# Altium PCB AT short bus ( 7 x 4.2 inches).PCBDOC (part 3 of 4)
Units mil, origin at the board's own origin, x right, y up, seen from the top; angles counter-clockwise.
Board outline 7000 x 4200 mil, 2 copper layers (TopLayer, BottomLayer), stack 65.792 mil thick; 180 components, 429 nets, 1316 pads, 544 vias.
Unrouted connection lines stored in the file: 1.
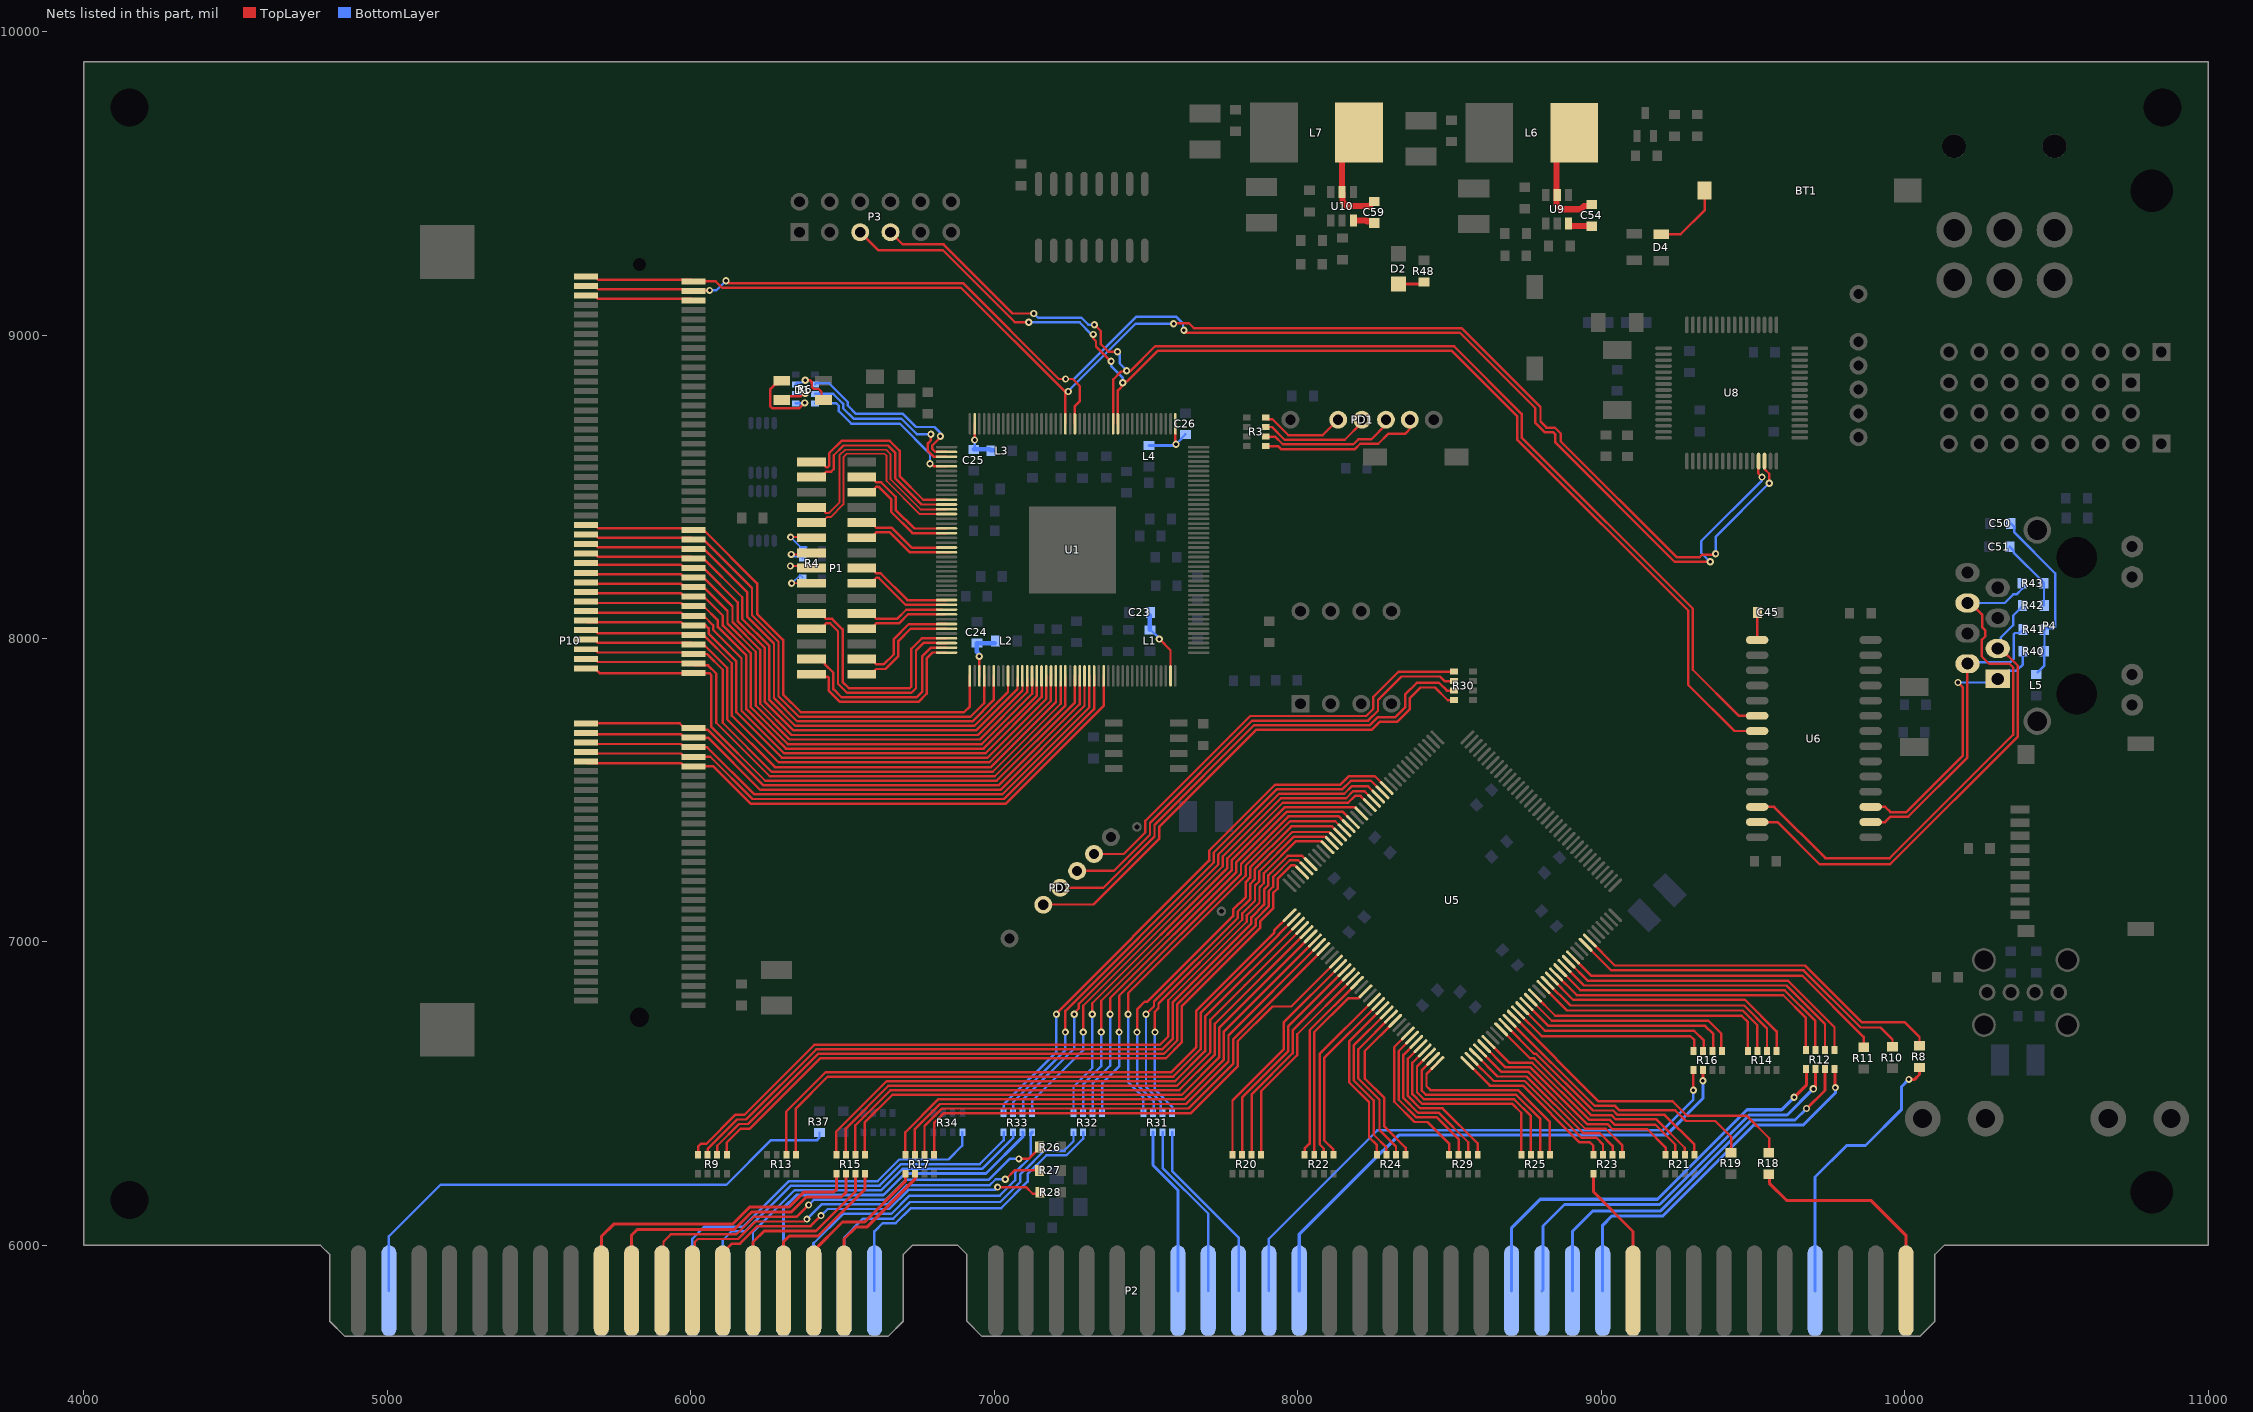
[diagram p3: the nets of this part, all layers, seen from the top]

## Via types
v1: diameter 23.62, hole 12.99, TopLayer to BottomLayer, tented both sides, 193 vias
v2: diameter 24.02, hole 11.81, TopLayer to BottomLayer, tented both sides, 137 vias
v3: diameter 23.62, hole 11.81, TopLayer to BottomLayer, tented both sides, 109 vias
v4: diameter 23.62, hole 11.81, TopLayer to BottomLayer, 38 vias
v5: diameter 25.98, hole 12.99, TopLayer to BottomLayer, tented both sides, 32 vias
v6: diameter 23.62, hole 12.99, TopLayer to BottomLayer, 25 vias
v7: diameter 39.37, hole 19.68, TopLayer to BottomLayer, tented both sides, 5 vias
v8: diameter 70, hole 70, TopLayer to BottomLayer, 2 vias
v9: diameter 39.37, hole 39.37, TopLayer to BottomLayer, tented both sides, 2 vias
v10: diameter 98.43, hole 59.06, TopLayer to BottomLayer, tented both sides, 1 vias

## Nets (pads, with @x,y where several pads share a name; then routed paths per layer and width w, separated by ;. In a path a pad name is that pad's centre, name@x,y a point inside that pad or via, vN(x,y) a via of type N, cw(c..) or ccw(c..) an arc to the next point about the centre after c; other vN are vias at no path point) (continued)
IOCHK#: P2.A1 R18.1 | length 733.2
  TopLayer w10: R18.1@9554,6233.57 9554,6205 9610.65,6148.35 9888.65,6148.35 10005,6032 P2.A1@10005,5850
IOCRDY#: P2.A10 R23.4 | length 440
  TopLayer w10: R23.4@8974.59,6236 8974.59,6176.41 9105,6046 P2.A10@9105,5850
IOCS16#: P2.D2 R32.5 | length 1107.6
  BottomLayer w8: P2.D2@6505,5850 6505,6025.08 6567.92,6088 6667.22,6088 6722.22,6143 7019.63,6143 7086.15,6209.52 7086.15,6234.78 7096.56,6245.19 7097.49,6245.19 7164.3,6312 7230,6312 7261.06,6343.06 R32.5@7261.06,6373.01
IOR#: P2.B14 R12.4 | length 1427.3
  TopLayer w10: v3(9636,6488) 9676,6528 9676,6579.51 R12.4@9674.51,6581
  BottomLayer w10: P2.B14@8705,5850 8705,6058 8799,6152 9185.88,6152 9480.88,6447 9595,6447 v3(9636,6488)
IOW#: P2.B13 R12.3 | length 1361.4
  TopLayer w10: v1(9699,6516) 9706.01,6523.01 R12.3@9706.01,6581
  BottomLayer w10: P2.B13@8805,5850 8808,5853 8808,6064 8879,6135 9192.92,6135 9487.92,6430 9613,6430 v1(9699,6516)
IRQ2: P2.B4 R8.1 | length 926.5
  TopLayer w10: v3(10014,6547) 10033,6547 10049,6563 R8.1@10049,6586.57
  BottomLayer w10: P2.B4@9705,5850 9705,6225 9809.25,6329.25 9871.25,6329.25 9989,6447 9989,6522 v3(10014,6547)
IRQ3: P2.B25 R31.6 | length 557
  BottomLayer w10: R31.6@7523.01,6373.01 7523.01,6264.15 7605,6182.16 P2.B25@7605,5850
IRQ4: P2.B24 R31.7 | length 585.3
  BottomLayer w8: R31.7@7554.5,6373.01 7554.5,6255.28 7705,6104.79 P2.B24@7705,5850
IRQ5: P2.B23 R31.8 | length 613.7
  BottomLayer w8: R31.8@7586,6373.01 7586,6245 7805,6026 P2.B23@7805,5850
IRQ6: P2.B22 R16.4 | length 1858.2
  TopLayer w8: v3(9304,6511) 9304.09,6511.09 R16.4@9304.09,6578.01
  BottomLayer w8: P2.B22@7905,5850 7905,6022 8262,6379 9202,6379 9304,6481 v3(9304,6511)
IRQ7: P2.B21 R16.3 | length 1796.6
  TopLayer w10: v3(9335.43,6542.43) 9335.79,6542.79 9335.79,6577.8 R16.3@9335.58,6578.01
  BottomLayer w10: P2.B21@8005,5850 8005,6037 8280.31,6312.31 8282.31,6312.31 8333,6363 9214,6363 9335.43,6484.43 v3(9335.43,6542.43)
IRQ10: P2.D3 R33.8 | length 1088.4
  BottomLayer w8: 6405,6006.97 6502.03,6104 6660.59,6104 6720.59,6164 7018,6164 7068.5,6214.5 7068.5,6239.76 7120.24,6291.5 R33.8@7120.24,6368.17
  BottomLayer w10: P2.D3@6405,5850 6405,6006.97 ; R33.8@7120.24,6368.17 R33.8@7125.09,6373.01
IRQ11: P2.D4 R33.7 | length 1173.9
  BottomLayer w10: P2.D4@6305,5850 6305,6122 6349,6166 6634.91,6166 6705.84,6236.93 6972.93,6236.93 7094,6358 7094,6372.6 R33.7@7093.59,6373.01
IRQ12: P2.D5 R33.6 | length 1198.8
  BottomLayer w8: P2.D5@6205,5850 6205,6044.63 6342.37,6182 6628.28,6182 6699.21,6252.93 6960.93,6252.93 7062.09,6354.09 R33.6@7062.09,6373.01
IRQ13: P2.D6 R33.5 | length 1255.5
  BottomLayer w8: P2.D6@6105,5850 6105,6017 6135,6047 6180,6047 6330,6197 6622.07,6197 6693,6267.93 6951.93,6267.93 7030.6,6346.6 R33.5@7030.6,6373.01
IRQ14: P2.D7 R34.8 | length 1233
  BottomLayer w8: P2.D7@6005,5850 6005,6022 6045,6062 6173.79,6062 6323.79,6212 6615.85,6212 6686.79,6282.93 6848.93,6282.93 6894.63,6328.63 R34.8@6894.63,6373.01
LA17: P2.C8 R26.1 | length 1540.1
  TopLayer w8: P2.C8@5905,5850 5910,5855 5910,6012 5934,6036 6149.75,6036 6207.44,6093.69 6348.69,6093.69 v3(6388,6133) v3@6392,6137 ; v3(7081,6285) 7113.28,6285 7149.57,6321.28 R26.1@7149.57,6324
  BottomLayer w8: v3(6388,6133) 6405,6150 6641.53,6150 6707.53,6216 6981.53,6216 7050.53,6285 v3(7081,6285)
LA18: P2.C7 R27.1 | length 1398.6
  TopLayer w8: P2.C7@6005,5850 6013.04,5858.04 6013.04,6011.04 6023,6021 6155.97,6021 6213.65,6078.69 6374.69,6078.69 v3(6382.5,6086.5) ; v3(7036,6218) 7038,6218 7067,6247 R27.1@7149.57,6247
  BottomLayer w8: v3(6382.5,6086.5) 6431,6135 6647.75,6135 6710.75,6198 6984.74,6198 7004.74,6218 v3(7036,6218)
LA19: P2.C6 R28.1 | length 1271.6
  TopLayer w8: P2.C6@6105,5850 6105,5975 6136,6006 6162.18,6006 6219.87,6063.69 6394.69,6063.69 v3(6429,6098) ; v3(7011,6192) 7105,6192 7127,6170 7145.57,6170 R28.1@7150.57,6175
  BottomLayer w8: v3(6429,6098) 6451,6120 6653.96,6120 6716.96,6183 7002,6183 v3(7011,6192)
LA20: P2.C5 R15.6 | length 625.7
  TopLayer w10: P2.C5@6205,5850 6205,6011 6241.69,6047.69 6412.36,6047.69 6542.33,6177.66 R15.6@6542.33,6236
LA21: P2.C4 R15.5 | length 552.8
  TopLayer w10: P2.C4@6305,5850 6305,6011 6324.69,6030.69 6419.4,6030.69 6573.83,6185.11 R15.5@6573.83,6236
LA22: P2.C3 R17.8 | length 553.9
  TopLayer w10: P2.C3@6405,5850 6405,5982 6500,6077 6573,6077 6707.01,6211.01 R17.8@6707.01,6236
LA23: P2.C2 R17.7 | length 505.1
  TopLayer w10: P2.C2@6505,5850 6505,6021 6544,6060 6580.04,6060 6740,6219.96 6740,6234.5 R17.7@6738.5,6236
LANRX+: P4.3 R42.1 U6.13 | length 1589.4
  TopLayer w8: U6.13@9513.99,7395 9581,7395 9720,7256 9952,7256 10373.09,7677.09 10373.09,7910 10316.09,7967 P4.3@10307.09,7967
  BottomLayer w8: P4.3@10307.09,7967 10317,7976.91 10317,8003 10358.09,8044.09 10358.09,8075.8 10388.57,8106.28 R42.1@10388.57,8109
LANRX-: P4.6 R43.1 U6.12 | length 1851.4
  TopLayer w8: U6.12@9513.99,7445 9570,7445 9739,7276 9950.79,7276 10358.09,7683.3 10358.09,7903.79 10345.16,7916.72 10278.28,7916.72 10254,7941 10254,7995.52 10266,8007.52 10266,8026.48 10256.09,8036.4 10256.09,8077 10216.09,8117 P4.6@10207.09,8117
  BottomLayer w8: P4.6@10207.09,8117 10330,8117 10358.09,8145.09 10368.65,8145.09 10387.57,8164 R43.1@10387.57,8182
LANTX+: P4.1 R40.1 U6.17 | length 930.4
  TopLayer w8: U6.17@9888.01,7445 9936.1,7445 9953.15,7427.95 10005.74,7427.95 10191,7613.21 10191,7840 v3(10176,7855) ; P4.1@10298.09,7867 P4.1@10307.09,7867
  BottomLayer w8: v3(10176,7855) 10283.09,7855 10301.09,7873 P4.1@10307.09,7867 10316.09,7867 10343.09,7894 10369,7894 10389.57,7914.57 R40.1@10389.57,7958
LANTX-: P4.2 R41.1 U6.16 | length 993.4
  TopLayer w8: U6.16@9888.01,7395 9935.55,7395 9953.5,7412.95 10011.95,7412.95 10207.09,7608.09 P4.2@10207.09,7917
  BottomLayer w8: P4.2@10207.09,7917 10211.09,7921 10347,7921 10359,7933 10359,8013 10364,8018 10379,8018 10390,8029 R41.1@10390,8030
LEDB: R6.3 U1.90 | length 603.4
  TopLayer w8: v2(6822.44,8666.14) 6822.44,8663.16 6796.21,8636.93 6796.21,8624.23 6805.48,8614.96 6842.52,8614.96 U1.90@6842.65,8614.83
  BottomLayer w8: R6.3@6409.13,8837.73 6412.02,8840.62 6456.04,8840.62 6517.3,8779.36 6517.3,8767.73 6544.88,8740.16 6698.73,8740.16 6742.03,8696.85 6803.15,8696.85 6822.44,8677.56 v2(6822.44,8666.14)
LEDG: R6.2 U1.91 | length 574.6
  TopLayer w8: v2(6791.32,8672.82) 6791.32,8653.26 6781.21,8643.15 6781.21,8617.64 6799.64,8599.21 6842.52,8599.21 U1.91@6842.65,8599.09
  BottomLayer w8: R6.2@6409.13,8806.24 6469.21,8806.24 6502.3,8773.14 6502.3,8758.33 6536.22,8724.41 6693.26,8724.41 6744.85,8672.82 v2(6791.32,8672.82)
LEDR: R6.1 U1.93 | length 551.8
  TopLayer w8: v2(6788.18,8575.97) 6792.51,8575.97 6800.76,8567.72 6842.52,8567.72 U1.93@6842.65,8567.59
  BottomLayer w8: R6.1@6411.43,8777.03 R6.1@6409.13,8774.74 6479.49,8774.74 6487.3,8766.93 6487.3,8749.31 6529.13,8707.48 6688.98,8707.48 6788.18,8608.28 v2(6788.18,8575.97)
LVDS0_N: P1.3 U1.101 | length 645.5
  TopLayer w8: P1.3@6397.65,8532 6430.32,8532 6440.89,8542.57 6440.89,8544.81 6445.58,8549.5 6462.1,8549.5 6470.89,8558.29 6470.89,8604.03 6502.86,8636 6649.42,8636 6672.99,8612.42 6672.99,8529.16 6760.55,8441.61 U1.101@6842.65,8441.61
LVDS0_P: P1.1 U1.100 | length 642.6
  TopLayer w8: P1.1@6397.65,8582 6430.32,8582 6440.89,8571.43 6440.89,8569.19 6445.58,8564.5 6451.5,8564.5 6455.89,8568.89 6455.89,8610.24 6496.65,8651 6655.63,8651 6687.99,8618.64 6687.99,8535.38 6766.01,8457.35 U1.100@6842.65,8457.35
LVDS1_N: P1.7 U1.102 | length 764.4
  TopLayer w6: P1.7@6397.65,8432 6430.32,8432 6441.89,8420.43 6441.89,8415.11 6444,8413 6455,8413 6464,8422 6464.23,8422 6489.81,8447.58 6489.81,8603.14 6508.66,8622 6643.62,8622 6658,8607.62 6658,8524.36 6757.36,8425 6798,8425 6798.35,8425.35 6842.14,8425.35 U1.102@6842.65,8425.86
LVDS1_P: P1.9 U1.103 | length 761.5
  TopLayer w6: P1.9@6397.65,8382 6430.32,8382 6448.32,8400 6461,8400 6502.81,8441.81 6502.81,8597.76 6514.05,8609 6638.23,8609 6645,8602.23 6645,8518.97 6753.86,8410.11 U1.103@6842.65,8410.11
LVDS2_N: P1.6 U1.107 | length 375.9
  TopLayer w8: P1.6@6563,8482 6595.68,8482 6606.24,8492.57 6606.24,8494.81 6610.93,8499.5 6620.19,8499.5 6660,8459.68 6660,8417.79 6730.29,8347.49 6810.99,8347.49 6811.36,8347.12 U1.107@6842.65,8347.12
LVDS2_P: P1.4 U1.106 | length 376.5
  TopLayer w8: P1.4@6563,8532 6595.68,8532 6606.24,8521.43 6606.24,8519.19 6610.93,8514.5 6627.46,8514.5 6675,8466.96 6675,8424 6736.51,8362.49 6810.99,8362.49 6811.36,8362.87 U1.106@6842.65,8362.87
LVDS3_N: P1.10 U1.110 | length 327.8
  TopLayer w8: P1.10@6563,8382 6595.68,8382 6606.24,8371.43 6606.24,8369.19 6610.93,8364.5 6662.5,8364.5 6727.19,8299.81 6729.66,8299.81 6730.02,8299.46 U1.110@6855.25,8299.46
LVDS3_P: P1.12 U1.111 | length 327.8
  TopLayer w8: P1.12@6563,8332 6595.68,8332 6606.24,8342.57 6606.24,8344.81 6610.93,8349.5 6656.29,8349.5 6720.98,8284.81 6723.45,8284.81 6723.8,8284.46 U1.111@6855.25,8284.46
LVDS4_N: P1.18 U1.122 | length 324.9
  TopLayer w8: P1.18@6563,8182 6595.68,8182 6606.24,8192.57 6606.24,8194.81 6610.93,8199.5 6619.5,8199.5 6707.68,8111.32 6810.95,8111.32 6811.36,8110.9 U1.122@6842.65,8110.9
LVDS4_P: P1.16 U1.121 | length 325.5
  TopLayer w8: P1.16@6563,8232 6595.68,8232 6606.24,8221.43 6606.24,8219.19 6610.93,8214.5 6625.71,8214.5 6713.9,8126.32 6813.35,8126.32 U1.121@6813.68,8126.65 ; U1.121@6814.1,8127.06 U1.121@6813.68,8126.65 ; U1.121@6842.65,8126.65 U1.121@6813.68,8126.65
LVDS5_N: P1.22 U1.123 | length 287
  TopLayer w8: P1.22@6563,8082 6595.68,8082 6606.24,8071.43 6606.24,8069.19 6610.93,8064.5 6679.5,8064.5 6709.78,8094.78 6810.99,8094.78 6811.36,8095.15 U1.123@6828.79,8095.15
LVDS5_P: P1.24 U1.124 | length 293.3
  TopLayer w8: P1.24@6563,8032 6595.68,8032 6606.24,8042.57 6606.24,8044.81 6610.93,8049.5 6685.71,8049.5 6715.99,8079.78 6810.99,8079.78 6811.36,8079.4 U1.124@6835,8079.4
LVDS6_N: P1.30 U1.127 | length 372.9
  TopLayer w8: P1.30@6563,7882 6595.68,7882 6606.24,7892.57 6606.24,7894.81 6610.93,7899.5 6641.71,7899.5 6684,7941.79 6684,7992 6724.53,8032.53 6810.99,8032.53 6811.36,8032.16 U1.127@6842.65,8032.16
LVDS6_P: P1.28 U1.126 | length 372.9
  TopLayer w8: P1.28@6563,7932 6595.68,7932 6606.24,7921.43 6606.24,7919.19 6610.93,7914.5 6635.5,7914.5 6669,7948 6669,7998.21 6718.32,8047.53 6810.99,8047.53 6811.36,8047.91 U1.126@6842.65,8047.91
LVDS7_N: P1.21 U1.129 | length 790.5
  TopLayer w8: P1.21@6397.65,8082 6430.32,8082 6440.89,8071.43 6440.89,8069.19 6445.58,8064.5 6465.5,8064.5 6500,8030 6500,7857 6521,7836 6721,7836 6727,7842 6727,7966.21 6761.07,8000.29 6810.99,8000.29 6811.36,8000.66 U1.129@6842.65,8000.66
LVDS7_P: P1.23 U1.130 | length 790.5
  TopLayer w8: P1.23@6397.65,8032 6430.32,8032 6440.89,8042.57 6440.89,8044.81 6445.58,8049.5 6459.29,8049.5 6485,8023.79 6485,7850.79 6514.79,7821 6727.21,7821 6742,7835.79 6742,7960 6767.29,7985.29 6810.99,7985.29 6811.36,7984.91 U1.130@6842.65,7984.91
LVDSC_N: P1.29 U1.132 | length 643.6
  TopLayer w8: P1.29@6397.65,7882 6405.42,7874.23 6450.31,7874.23 6455,7869.54 6455,7827 6491,7791 6750.21,7791 6777,7817.79 6777,7934.58 6796.21,7953.79 6810.99,7953.79 6811.36,7953.42 U1.132@6842.65,7953.42
LVDSC_P: P1.27 U1.131 | length 667.8
  TopLayer w8: P1.27@6397.65,7932 6430.32,7932 6440.89,7921.43 6440.89,7916.12 6470,7887.01 6470,7833.21 6497.21,7806 6744,7806 6762,7824 6762,7940.79 6790,7968.79 6810.99,7968.79 6811.36,7969.17 U1.131@6842.65,7969.17
MASTER#: P2.D17 R37.1 | length 1750.2
  BottomLayer w8: P2.D17@5005,5850 5005,6030 5175,6200 6117,6200 6264,6347 6416,6347 6424,6355 R37.1@6424,6371.57
MCS16#: P2.D1 R32.6 | length 1046.3
  BottomLayer w8: P2.D1@6605,5850 6605,6046 6632,6073 6675,6073 6725,6123 7023,6123 7110,6210 7110,6235.2 7171.8,6297 7238,6297 7292.55,6351.55 R32.6@7292.55,6373.01
MEMR#: P2.B12 R12.2 | length 1291.3
  TopLayer w10: v1(9677,6451) 9677.89,6451 9737.5,6510.61 R12.2@9737.5,6581
  BottomLayer w10: P2.B12@8905,5850 8905,6046 8973,6114 9195.96,6114 9494.96,6413 9639,6413 v1(9677,6451)
MEMW#: P2.B11 R12.1 | length 1243.7
  TopLayer w10: R12.1@9769,6581 9770.5,6579.5 9770.5,6521.5 v3(9772,6520)
  BottomLayer w10: P2.B11@9005,5850 9005,6066.81 9035.19,6097 9203,6097 9502,6396 9665,6396 9772,6503 v3(9772,6520)
MISO0: P3.7 U1.58 U6.6 | length 3996.3
  TopLayer w8: P3.7@6658,9339 6698.53,9298.47 6832.81,9298.47 7060.28,9071 v2(7130,9071) ; v2(7330,9034) 7351,9013 7351,8970 7376,8945 v2(7406,8945) ; U1.58@7391.86,8707.35 7391.86,8853.65 7418.11,8879.89 v2@7433.89,8879.89 ; v2(7436,8882) v2@7433.89,8879.89 ; U6.6@9513.99,7745 9454,7745 9302,7897 9302,8098.49 8737.99,8662.5 8737.99,8740.01 8515.18,8962.82 7529.82,8962.82 7446.89,8879.89 v2@7433.89,8879.89
  BottomLayer w8: v2(7130,9071) 7144,9057 7287.21,9057 7310.21,9034 v2(7330,9034) ; v2(7406,8945) 7406,8942 7412.99,8935.01 7412.99,8906.9 7436,8883.89 v2(7436,8882)
MOSI0: P3.5 U1.57 U6.7 | length 4091.4
  TopLayer w8: P3.5@6558,9339 6617,9280 6830.07,9280 7068.07,9042 v2(7114,9042) ; v2(7326,9002) 7326,8989 7335.34,8979.66 7335.34,8962.34 7377,8920.69 7383.69,8914 v2(7385,8914) ; U1.57@7407.61,8707.35 7407.61,8817.55 v2@7430.03,8839.97 ; v2(7423.03,8843) 7427.01,8846.99 7437.04,8846.99 7537.87,8947.82 8508.18,8947.82 8722.99,8733.01 8722.99,8656.29 9287,8092.28 9287,7847 9439,7695 U6.7@9513.99,7695
  BottomLayer w8: v2(7114,9042) 7281,9042 7319,9004 7324,9004 v2(7326,9002) ; v2(7385,8914) 7385,8897.68 7423.03,8859.65 v2(7423.03,8843)
MR#: P2.C10 R15.8 | length 1071.4
  TopLayer w10: P2.C10@5705,5850 5705,6029 5746,6070 6137.08,6070 6193.77,6126.69 6323.97,6126.69 6373.73,6176.45 6472.12,6176.45 6479.34,6183.67 R15.8@6479.34,6236 R15.8@6481,6236
MW#: P2.C9 R15.7 | length 1009.9
  TopLayer w10: P2.C9@5805,5850 5805,6034 5824,6053 6144.12,6053 6200.81,6109.69 6331.02,6109.69 6380.77,6159.45 6496.46,6159.45 6510.84,6173.83 R15.7@6510.84,6236
NetBT1_1: BT1.1 D4.1 | length 240.6
  TopLayer w8: D4.1@9198,9332 9262,9332 9340.72,9410.72 BT1.1@9340.72,9476
NetC23_1: C23.1 L1.1 U1.175 | length 229.5
  TopLayer w8: v2(7544,7998) 7580.83,7961.17 U1.175@7580.83,7876.65
  BottomLayer w8: L1.1@7512,8029.43 L1.1@7513,8028.43 7515.72,8028.43 7544,8000.15 v2(7544,7998)
  BottomLayer w15: L1.1@7512,8029.43 C23.1@7512,8076
NetC24_1: C24.1 L2.1 U1.135 | length 170.9
  TopLayer w8: v2(6950.72,7940.78) 6951,7940.5 6951,7876.73 U1.135@6950.91,7876.65
  BottomLayer w15: v2(6950.72,7940.78) 6950.72,7947.28 6942,7956 6942,7984 C24.1@6943,7985 6943.5,7984.5 7000.5,7984.5 L2.1@7001,7984
NetC25_1: C25.1 L3.1 U1.87 | length 147.2
  TopLayer w8: v2(6935,8654) 6935.08,8654.08 6935.08,8707.27 U1.87@6935.17,8707.35
  BottomLayer w8: C25.1@6932,8623.43 6935,8626.43 v2(6935,8654)
  BottomLayer w15: C25.1@6932,8623.43 L3.1@6984.57,8623.43 ; L3.1@6988.57,8620.43 L3.1@6998,8620.43
NetC26_1: C26.1 L4.1 U1.45 | length 204.4
  TopLayer w8: U1.45@7596.58,8707.35 7596.71,8707.23 7596.71,8642.29 v2(7599,8640)
  BottomLayer w8: v2@7595.43,8636.43 v2(7599,8640) 7615.98,8656.98 7615.98,8659.13 C26.1@7629.71,8672.86
  BottomLayer w10: L4.1@7510,8636.43 v2@7595.43,8636.43
NetC45_1: C45.1 U6.1 | length 91.2
  TopLayer w8: U6.1@9513.99,7995 9513.99,8085.43 C45.1@9514.57,8086
NetC50_2: C50.2 L5.1 R40.2 R41.2 | length 590.4
  BottomLayer w8: C50.2@10350,8379 10361.75,8367.25 10361.75,8349.25 10496,8215 10496,8039 10491.31,8034.31 10465.18,8034.31 R41.2@10460.87,8030 10460.87,7958.43 R40.2@10460.43,7958 10460.43,7910.87 L5.1@10438,7888.43
NetC51_2: C51.2 R42.2 R43.2 | length 239.6
  BottomLayer w8: C51.2@10347,8302 10358.75,8290.25 10358.75,8283.65 10458.43,8183.97 R43.2@10458.43,8182 10459.43,8181 R42.2@10459.43,8109
NetC54_1: C54.1 L6.1 U9.2 | length 446.4
  TopLayer w20: L6.1@8851.19,9637.52 L6.1@8899.82,9686.15 ; L6.1@8853.19,9678.09 8853.19,9428.76 8853,9428.57 8867,9414.57 8933,9414.57 8943.06,9424.62 8964,9424.62 C54.1@8969,9429.62
NetC54_2: C54.2 U9.6 | length 85.7
  TopLayer w20: U9.6@8892.4,9367.51 8890.69,9365.8 8890.69,9362.28 8894.21,9358.76 C54.2@8969,9358.76
NetC59_1: C59.1 L7.1 U10.2 | length 367.3
  TopLayer w20: L7.1@8201.82,9667.15 8146.24,9611.58 U10.2@8146.24,9471.58 8148.05,9469.77 8148.05,9438.91 8161.39,9425.58 8237.39,9425.58 C59.1@8251.82,9440.02
NetC59_2: C59.2 U10.6 | length 72.3
  TopLayer w20: U10.6@8183.65,9377.09 8184.7,9378.15 8225.42,9378.15 8228.67,9374.9 8246.07,9374.9 C59.2@8251.82,9369.15
NetD1_1: D1.1 R6.8 | length 258.7
  TopLayer w8: D1.1@6299.67,8848.85 6287.92,8837.1 6277.69,8837.1 6261.11,8820.53 6261.11,8765.55 6267.55,8759.11 6358.01,8759.11 v2(6375.13,8776.24)
  BottomLayer w8: R6.8@6346.14,8774.74 6373.64,8774.74 v2(6375.13,8776.24)
NetD1_3: D1.3 R6.7 | length 121.4
  TopLayer w8: D1.3@6299.67,8785.86 6311.42,8797.61 6362.17,8797.61 6372.8,8808.24 v2(6377.13,8808.24) v2@6379.13,8810.24
  BottomLayer w8: R6.7@6346.14,8806.24 6375.13,8806.24 v2(6377.13,8808.24)
NetD1_4: D1.4 R6.6 | length 154.2
  TopLayer w8: v2@6369.64,8853.73 6374.5,8853.73 v2(6377.33,8850.9) 6392.9,8850.9 6395.56,8848.24 6398.91,8844.89 6398.91,8828.55 6405.35,8822.1 6421.69,8822.1 6430.73,8813.06 6430.73,8792.59 D1.4@6437.46,8785.86
  BottomLayer w8: R6.6@6346.14,8837.73 6351.98,8843.57 6366.14,8843.57 6373.46,8850.9 v2(6377.33,8850.9)
NetD2_2: D2.2 R48.1 | length 86.6
  TopLayer w10: D2.2@8332.28,9167.72 8408.27,9167.72 R48.1@8415.75,9175.2
NetP1_11: P1.11 R4.5 | length 134.7
  TopLayer w6: v3(6329,8334) 6395.65,8334 P1.11@6397.65,8332
  BottomLayer w6: v3(6329,8334) 6361.01,8301.99 R4.5@6381,8301.99
NetP1_13: P1.13 R4.6 | length 112.9
  TopLayer w6: v3(6331,8277) 6390.65,8277 6391.65,8276 P1.13@6397.65,8282
  BottomLayer w6: v3(6331,8277) 6337.5,8270.5 6362.5,8270.5 R4.6@6369,8264
NetP1_15: P1.15 R4.7 | length 116.2
  TopLayer w6: v3(6328,8239) 6390.65,8239 P1.15@6397.65,8232
  BottomLayer w6: v3(6328,8239) 6362.5,8239 R4.7@6369,8232.5
NetP1_17: P1.17 R4.8 | length 120
  TopLayer w6: v3(6332,8182) 6387.65,8182 6392.65,8187 P1.17@6397.65,8182
  BottomLayer w6: v3(6332,8182) 6333,8182 6358.5,8207.5 6362.5,8207.5 R4.8@6369,8201.01
NetP10_26: P10.26 U1.161 | length 1995.9
  TopLayer w8: P10.26@5654,7594.46 5659.09,7589.36 5968.15,7589.36 5978.8,7578.71 P10.26@6008.33,7578.71 6074.29,7578.71 6197,7456 7038.62,7456 7360.24,7777.61 7360.24,7876.52 U1.161@7360.36,7876.65
NetP10_27: P10.27 U1.159 | length 1941.5
  TopLayer w8: P10.27@5654,7625.95 5659.09,7620.86 5968.15,7620.86 P10.27@5978.8,7610.2 ; P10.27@6008.33,7610.2 6064.01,7610.2 6203.21,7471 7032.41,7471 7328.87,7767.45 U1.159@7328.87,7876.65
NetP10_28: P10.28 U1.158 | length 1923.2
  TopLayer w8: P10.28@5654,7657.45 5659.09,7652.35 5968.15,7652.35 P10.28@5978.8,7641.7 ; P10.28@6008.33,7641.7 6053.73,7641.7 6209.43,7486 7026.2,7486 7312.99,7772.79 7312.99,7876.52 U1.158@7313.12,7876.65
NetP10_29: P10.29 U1.157 | length 1934.4
  TopLayer w8: P10.29@5654,7688.94 5659.09,7683.85 5968.15,7683.85 5978.8,7673.2 P10.29@6008.33,7673.2 6056.8,7673.2 6229,7501 7019.98,7501 7297.24,7778.26 7297.24,7876.52 U1.157@7297.37,7876.65
NetP10_30: P10.30 U1.156 | length 1916
  TopLayer w8: P10.30@5654,7720.44 5963.06,7720.44 5978.8,7704.69 P10.30@6008.33,7704.69 6014.17,7698.85 6056.15,7698.85 6239,7516 7013.77,7516 7281.62,7783.85 U1.156@7281.62,7876.65
NetP10_31: P10.31 U1.155 | length 2059.7
  TopLayer w8: P10.31@5654,7901.54 5683.53,7901.54 5699.28,7885.8 P10.31@6008.33,7885.8 6061.2,7885.8 6068,7879 6068,7708.21 6245.21,7531 7007.56,7531 7265.87,7789.32 U1.155@7265.87,7876.65
NetP10_32: P10.32 U1.153 | length 2029.7
  TopLayer w8: P10.32@5654,7933.04 5683.53,7933.04 5694.18,7922.39 6003.24,7922.39 P10.32@6008.33,7917.29 6014.17,7911.45 6056.76,7911.45 6084,7884.21 6084,7722.21 6260.21,7546 7001.35,7546 7234.38,7779.03 U1.153@7234.38,7876.65
NetP10_33: P10.33 U1.152 | length 1999.2
  TopLayer w8: P10.33@5654,7964.54 5683.53,7964.54 5694.18,7953.88 6003.24,7953.88 P10.33@6008.33,7948.79 6053,7948.79 6105,7896.79 6105,7722.43 6266.43,7561 6995.13,7561 7219.05,7784.91 U1.152@7219.05,7857
NetP10_34: P10.34 U1.151 | length 1983.3
  TopLayer w8: P10.34@5654,7996.03 5683.53,7996.03 5694.18,7985.38 6003.24,7985.38 P10.34@6008.33,7980.28 6042.72,7980.28 6120,7903 6120,7733 6277,7576 6988.92,7576 7203.3,7790.38 U1.151@7203.3,7862
NetP10_35: P10.35 U1.150 | length 1980
  TopLayer w8: P10.35@5654,8027.53 5683.53,8027.53 5694.18,8016.87 6003.24,8016.87 P10.35@6008.33,8011.78 6041.6,8011.78 6135,7918.38 6135,7746 6289,7592 6983.71,7592 7186.72,7795.01 7186.72,7876.23 U1.150@7187.13,7876.65
NetP10_36: P10.36 U1.149 | length 1969.1
  TopLayer w8: P10.36@5654,8059.02 5659.09,8053.93 5968.15,8053.93 5978.8,8043.28 P10.36@6008.33,8043.28 6048.85,8043.28 6058.7,8033.43 6058.7,8015.9 6150,7924.6 6150,7757 6300,7607 6977.49,7607 7171.39,7800.89 U1.149@7171.39,7876.65
NetP10_37: P10.37 U1.148 | length 1935.2
  TopLayer w8: P10.37@5654,8090.52 5659.09,8085.43 5968.15,8085.43 5978.8,8074.77 P10.37@6008.33,8074.77 6042.55,8074.77 6074.02,8043.31 6074.02,8027.95 6167,7934.97 6167,7762 6307,7622 6971.28,7622 7156.05,7806.78 U1.148@7156.05,7859
NetP10_38: P10.38 U1.147 | length 1922.9
  TopLayer w8: P10.38@5654,8122.02 5659.09,8116.92 5968.15,8116.92 5978.8,8106.27 P10.38@6008.33,8106.27 6042.55,8106.27 6089.37,8059.45 6089.37,8037.4 6183,7943.77 6183,7767.21 6313.21,7637 6965.07,7637 7140.31,7812.24 U1.147@7140.31,7859
NetP10_39: P10.39 U1.146 | length 1919.6
  TopLayer w8: P10.39@5654,8153.51 5659.09,8148.42 5968.15,8148.42 5978.8,8137.76 P10.39@6008.33,8137.76 6042.55,8137.76 6105.51,8074.8 6105.51,8042.47 6198,7949.98 6198,7773.43 6319.43,7652 6958.85,7652 7124.56,7817.71 U1.146@7124.56,7868
NetP10_40: P10.40 U1.145 | length 1906.7
  TopLayer w8: P10.40@5654,8185.01 5659.09,8179.91 5968.15,8179.91 5978.8,8169.26 P10.40@6008.33,8169.26 6041.6,8169.26 6120.87,8090 6120.87,8049.21 6214,7956.08 6214,7778.64 6325.64,7667 6952.64,7667 7108.81,7823.17 U1.145@7108.81,7868
NetP10_41: P10.41 U1.144 | length 1882.4
  TopLayer w8: P10.41@5654,8216.5 5659.09,8211.41 5968.15,8211.41 5978.8,8200.76 P10.41@6008.33,8200.76 6041.6,8200.76 6137.4,8104.96 6137.4,8053.89 6229,7962.29 6229,7784.85 6331.85,7682 6946.43,7682 7093.06,7828.64 U1.144@7093.06,7856
NetP10_42: P10.42 U1.143 | length 1884.8
  TopLayer w8: P10.42@5654,8248 5659.09,8242.91 5968.15,8242.91 5978.8,8232.25 P10.42@6008.33,8232.25 6041.6,8232.25 6154.33,8119.52 6154.33,8058.17 6244,7968.51 6244,7791.07 6338.07,7697 6940.21,7697 7076.48,7833.27 U1.143@7076.48,7871
NetP10_43: P10.43 U1.141 | length 1871.8
  TopLayer w8: P10.43@5654,8279.5 5683.53,8279.5 5694.18,8268.84 6003.24,8268.84 P10.43@6008.33,8263.75 6041.6,8263.75 6169.33,8136.02 6169.33,8064.39 6259,7974.72 6259,7797.28 6344.28,7712 6934,7712 7045.27,7823.27 7045.27,7876.52 U1.141@7045.4,7876.65
NetP10_44: P10.44 U1.138 | length 1847.2
  TopLayer w8: P10.44@5654,8310.99 5683.53,8310.99 5694.18,8300.34 6003.24,8300.34 P10.44@6008.33,8295.24 6042.94,8295.24 6186.22,8151.97 6186.22,8070.87 6274,7983.09 6274,7803.49 6350.49,7727 6927.79,7727 6998.03,7797.24 6998.03,7876.52 U1.138@6998.16,7876.65
NetP10_45: P10.45 U1.136 | length 1827.7
  TopLayer w8: P10.45@5654,8342.49 5683.53,8342.49 5694.18,8331.83 6003.24,8331.83 P10.45@6008.33,8326.74 6041.6,8326.74 6201.57,8166.77 6201.57,8076.73 6289,7989.3 6289,7809.71 6356.71,7742 6921.57,7742 6966.79,7787.21 6966.79,7876.52 U1.136@6966.66,7876.65
NetP10_46: P10.46 U1.133 | length 1793.4
  TopLayer w8: P10.46@5654,8373.98 5683.53,8373.98 5694.18,8363.33 6003.24,8363.33 P10.46@6008.33,8358.24 6041.6,8358.24 6218.5,8181.34 6218.5,8081.01 6304,7995.51 6304,7815.92 6362.92,7757 6900.31,7757 6919.42,7776.11 U1.133@6919.42,7876.65
NetP10_70: P10.70 | length 360.9
  TopLayer w8: P10.70@5654,9129.89 5683.53,9129.89 5694.18,9119.24 6003.24,9119.24 P10.70@6008.33,9114.14
NetP10_71: P10.71 U1.66 U8.29 | length 4952.5
  TopLayer w8: P10.71@5654,9161.39 5683.53,9161.39 5694.18,9150.73 6003.24,9150.73 P10.71@6008.33,9145.64 6009.01,9146.32 6061.32,9146.32 v3(6062,9147) ; v3(6116,9179) 6124,9171 6896.64,9171 7212.64,8855 v3(7235.26,8855) 7258.39,8855 7282.28,8831.1 7282.28,8782.28 7265.87,8765.87 U1.66@7265.87,8707.35 ; v3(7625,9016) 7633.18,9007.82 8533.82,9007.82 8782.99,8758.65 8782.99,8710.49 8813.47,8680.01 8840.99,8680.01 8849,8672 8849,8646 9242,8253 v2(9359,8253) ; U8.29@9518.58,8584.59 9517.85,8583.86 9517.85,8544.15 v2(9530,8532)
  BottomLayer w8: v3(6062,9147) 6084,9147 v3(6116,9179) ; v3(7235.26,8855) 7262.25,8855 7467.06,9059.81 7600.45,9059.81 7622.01,9038.25 7622.01,9018.99 v3(7625,9016) ; v2(9359,8253) 9330,8282 9330,8321 9530,8521 v2(9530,8532)
NetP10_72: P10.72 U1.68 U8.30 | length 4833
  TopLayer w8: P10.72@5654,9192.88 5683.53,9192.88 5694.18,9182.23 6003.24,9182.23 P10.72@6008.33,9177.13 6081.87,9177.13 6103,9156 6890.43,9156 v3@7234.38,8812.05 ; U1.68@7234.38,8707.35 v3@7234.38,8812.05 ; v3(7244,8814) 7243,8814 7241.05,8812.05 v3@7234.38,8812.05 ; v3(7591,9037) 7592.81,9038.81 7641.19,9038.81 7657.18,9022.82 8540.03,9022.82 8800,8762.85 8800,8714.69 8819.68,8695.01 8847.21,8695.01 8866.61,8675.61 8866.61,8649.61 9248.21,8268 9324.76,8268 9332.77,8276.01 9373.99,8276.01 v2(9377,8279) ; U8.30@9538.27,8584.59 9538.27,8558.71 9554,8542.98 v2(9554,8512)
  BottomLayer w8: v3(7244,8814) 7244,8815.54 7465.46,9037 v3(7591,9037) ; v2(9377,8279) 9377,8335 v2(9554,8512)
NetPD1_2: PD1.2 R3.1 | length 283.6
  TopLayer w8: R3.1@7894.99,8728.5 7900.83,8722.65 7916.35,8722.65 7969,8670 8082.26,8670 PD1.2@8133.26,8721
NetPD1_3: PD1.3 R3.2 | length 367
  TopLayer w8: R3.2@7894.99,8697 7914.9,8697 7956.9,8655 8155,8655 8212,8712 PD1.3@8212,8721
NetPD1_4: PD1.4 R3.3 | length 449.4
  TopLayer w8: R3.3@7894.99,8665.5 7925.19,8665.5 7950.69,8640 8183.44,8640 8200,8656.56 8242.56,8656.56 8290.74,8704.74 PD1.4@8290.74,8721
NetPD1_5: PD1.5 R3.4 | length 547
  TopLayer w8: R3.4@7894.99,8634.01 7935.47,8634.01 7945.48,8624 8188.66,8624 8206.22,8641.56 8265.39,8641.56 8297.85,8674.02 8353.02,8674.02 8375,8696 PD1.5@8375,8729
NetPD2_2: PD2.2 R30.1 | length 1720.9
  TopLayer w8: PD2.2@7152,7123.32 7327.32,7123.32 7543.1,7339.1 7543.1,7378.5 7864.07,7699.47 8244.43,7699.47 8270.79,7725.84 8328.37,7725.84 8368.94,7766.41 8368.94,7802.4 8405.12,7838.58 8452.25,7838.58 8494.33,7796.5 R30.1@8515.01,7796.5
NetPD2_3: PD2.3 R30.2 | length 1636.2
  TopLayer w8: PD2.3@7217.32,7178.32 7359.32,7178.32 7528.1,7347.1 7528.1,7385.7 7856.87,7714.47 8238.21,7714.47 8264.58,7740.84 8322.15,7740.84 8353.94,7772.62 8353.94,7815.35 8392.91,7854.33 8465.35,7854.33 8491.69,7828 R30.2@8515.01,7828
NetPD2_4: PD2.4 R30.3 | length 1557.6
  TopLayer w8: PD2.4@7273,7234 7393.79,7234 7513.1,7353.31 7513.1,7392.3 7850.27,7729.47 8232,7729.47 8264.53,7762 8264.53,7797.84 8341.49,7874.8 8468.89,7874.8 8484.2,7859.5 R30.3@8515.01,7859.5
NetPD2_5: PD2.5 R30.4 | length 1480.8
  TopLayer w8: PD2.5@7328.68,7289.68 7426.46,7289.68 7498.1,7361.31 7498.1,7399.2 7843.37,7744.47 8225.79,7744.47 8249.53,7768.21 8249.53,7807.8 8332.72,7890.99 R30.4@8515.01,7890.99
NetR8_2: R8.2 U5.138 | length 1247.3
  TopLayer w8: U5.138@8962.72,7004.44 9044.85,6922.3 9672.13,6922.3 9858.43,6736 10000,6736 10049,6687 R8.2@10049,6657.43
NetR9_1: R9.1 U5.63 | length 2657
  TopLayer w8: R9.1@6024.01,6298.99 6024.01,6326.01 6033.1,6335.1 6051.25,6335.1 6146.05,6429.9 6175.96,6429.9 6407.06,6661 7546.22,6661 7573.5,6688.28 7573.5,6807.96 7832.2,7066.66 7832.2,7087.23 7874.11,7129.13 7874.11,7179.36 7888.1,7193.35 7888.1,7226.1 7894.52,7232.52 ; 7894.63,7232.63 7994.15,7332.15 8078.23,7332.15 U5.63@8098.32,7312.06
NetR9_2: R9.2 U5.67 | length 2548.3
  TopLayer w8: R9.2@6055.5,6298.99 6055.5,6318.14 6152.26,6414.9 6182.17,6414.9 6413.27,6646 7552.43,6646 7588.5,6682.07 7588.5,6801.75 7847.2,7060.45 7847.2,7081.01 7889.11,7122.92 7889.11,7173.15 7903.19,7187.23 7903.1,7204.21 7903.1,7219.38 7909.64,7225.94 7967.68,7283.98 8014.54,7283.98 8042.15,7256.38 U5.67@8042.64,7256.38
NetR9_3: R9.3 U5.68 | length 2502.2
  TopLayer w8: R9.3@6087,6298.99 6087,6328.43 6158.47,6399.9 6188.39,6399.9 6419.49,6631 7558.65,6631 7603.5,6675.85 7603.5,6795.53 7862.2,7054.23 7862.2,7074.8 7904.11,7116.71 7904.11,7166.93 7918.81,7181.64 7918.81,7213.89 7924.66,7219.73 7973.9,7268.98 8001.7,7268.98 8028.23,7242.46 U5.68@8028.73,7242.46
NetR9_4: R9.4 U5.69 | length 2454.5
  TopLayer w8: R9.4@6118.5,6298.99 6118.5,6338.71 6164.69,6384.9 6194.6,6384.9 6425.7,6616 7564.86,6616 7618.5,6669.64 7618.5,6789.32 7877.2,7048.02 7877.2,7068.59 7919.11,7110.49 7919.11,7160.72 7933.81,7175.43 7933.81,7207.67 7939.66,7213.52 ; 7939.66,7213.53 7978.13,7252 7990.85,7252 8014.31,7228.54 U5.69@8014.81,7228.54
NetR10_2: R10.2 U5.137 | length 1164.2
  TopLayer w8: U5.137@8948.8,6990.52 9033.12,6906.2 9667.01,6906.2 9855.21,6718 9920,6718 9960,6678 R10.2@9960,6654.43
NetR11_2: R11.2 U5.134 | length 1100.9
  TopLayer w8: U5.134@8907.04,6948.76 8966.6,6889.2 9662.8,6889.2 9865,6687 R11.2@9865,6652.43
NetR12_5: R12.5 U5.130 | length 988.3
  TopLayer w8: U5.130@8851.36,6893.08 8920.14,6824.3 9600.06,6824.3 9674.51,6749.85 R12.5@9674.51,6643.99
NetR12_6: R12.6 U5.131 | length 1005.7
  TopLayer w8: U5.131@8865.28,6907 8931.38,6840.9 9604.67,6840.9 9706.01,6739.57 R12.6@9706.01,6643.99
NetR12_7: R12.7 U5.132 | length 1023
  TopLayer w8: U5.132@8879.2,6920.92 8943.62,6856.5 9610.29,6856.5 9737.5,6729.28 R12.7@9737.5,6643.99
NetR12_8: R12.8 U5.133 | length 1040.3
  TopLayer w8: U5.133@8893.12,6934.84 8956.26,6871.7 9616.3,6871.7 9769,6719 R12.8@9769,6643.99
NetR13_3: R13.3 U5.73 | length 2143.2
  TopLayer w8: R13.3@6314.67,6298.99 6314.67,6440.88 6444.79,6571 7583.5,6571 7665,6652.5 7665,6772.18 7922.2,7029.38 7922.2,7037.6 7972.55,7087.95 U5.73@7973.05,7087.95
NetR13_4: R13.4 U5.74 | length 2121.7
  TopLayer w8: R13.4@6346.16,6298.99 6346.16,6451.16 6451,6556 7589.71,6556 7680,6646.29 7680,6765.97 7937.2,7023.17 7937.2,7024.27 U5.74@7986.97,7074.03
NetR14_5: R14.5 U5.125 | length 832.9
  TopLayer w8: U5.125@8781.77,6823.48 8848.55,6756.7 9462.66,6756.7 9483.5,6735.86 R14.5@9483.5,6641
NetR14_6: R14.6 U5.127 | length 842.1
  TopLayer w8: U5.127@8809.6,6851.32 8886.93,6774 9466.57,6774 9515,6725.57 R14.6@9515,6641
NetR14_7: R14.7 U5.128 | length 859.4
  TopLayer w8: U5.128@8823.52,6865.24 8898.37,6790.4 9471.39,6790.4 9546.5,6715.29 R14.7@9546.5,6641
NetR14_8: R14.8 U5.129 | length 876.7
  TopLayer w8: U5.129@8837.44,6879.16 8907.3,6809.3 9473.7,6809.3 9577.99,6705.01 R14.8@9577.99,6641
NetR15_1: R15.1 U5.75 | length 1948.4
  TopLayer w8: R15.1@6479.34,6298.99 6479.34,6375.34 6645,6541 7595.93,6541 7695,6640.07 7695,6754.23 U5.75@8000.89,7060.11
NetR15_2: R15.2 U5.76 | length 1927.2
  TopLayer w8: R15.2@6510.84,6298.99 6510.84,6385.62 6651.21,6526 7602.14,6526 7711.66,6635.52 7711.66,6743.04 7825.69,6857.08 U5.76@8014.81,7046.19
NetR15_3: R15.3 U5.77 | length 1906.6
  TopLayer w8: R15.3@6542.33,6298.99 6542.33,6395.91 6657.43,6511 7609.3,6511 7726.85,6628.55 7726.85,6730.4 U5.77@8028.73,7032.27
NetR15_4: R15.4 U5.78 | length 1886.6
  TopLayer w8: R15.4@6573.83,6298.99 6573.83,6406.19 6663.64,6496 7617.6,6496 7741.85,6620.25 7741.85,6717.56 U5.78@8042.64,7018.36
NetR16_5: R16.5 U5.121 | length 660.3
  TopLayer w8: U5.121@8726.09,6767.81 8804.59,6689.3 9294.31,6689.3 9307.01,6676.6 R16.5@9307.01,6634.99
NetR16_6: R16.6 U5.122 | length 682.6
  TopLayer w8: U5.122@8740.01,6781.73 8814.63,6707.1 9306.2,6707.1 9338.5,6674.8 R16.6@9338.5,6634.99
NetR16_7: R16.7 U5.123 | length 718.4
  TopLayer w8: U5.123@8753.93,6795.64 8826.17,6723.4 9342.6,6723.4 9370,6696 R16.7@9370,6634.99
NetR16_8: R16.8 U5.124 | length 739.6
  TopLayer w8: U5.124@8767.85,6809.56 8837.11,6740.3 9353.7,6740.3 9395.65,6698.35 9395.65,6640.83 R16.8@9401.5,6634.99
NetR17_1: R17.1 U5.79 | length 1739.2
  TopLayer w8: R17.1@6707.01,6298.99 6707.01,6373.01 6815,6481 7625.4,6481 7756.85,6612.45 7756.85,6704.72 U5.79@8056.56,7004.44
NetR17_2: R17.2 U5.80 | length 1718.3
  TopLayer w8: R17.2@6738.5,6298.99 6738.5,6383.29 6821.21,6466 7632.11,6466 7771.85,6605.74 7771.85,6691.88 U5.80@8070.48,6990.52
NetR17_3: R17.3 U5.81 | length 1697.8
  TopLayer w8: R17.3@6770,6298.99 6770,6393.57 6827.43,6451 7639.6,6451 7786.85,6598.25 7786.85,6679.04 U5.81@8084.4,6976.6
NetR17_4: R17.4 U5.84 | length 1698.1
  TopLayer w8: R17.4@6801.5,6298.99 6801.5,6403.5 6834,6436 7648.4,6436 7801.85,6589.45 7801.85,6672.83 7916.35,6787.33 7978.66,6787.33 U5.84@8126.16,6934.84
NetR18_2: R18.2 U5.120 | length 1056.5
  TopLayer w8: U5.120@8712.17,6753.89 8991.56,6474.5 9235.71,6474.5 9283.71,6426.5 9480.5,6426.5 9554,6353 R18.2@9554,6304.43
NetR19_2: R19.2 U5.119 | length 944.5
  TopLayer w8: U5.119@8698.25,6739.97 8978.72,6459.5 9046.04,6459.5 9060.54,6445 9244,6445 9279,6410 9376,6410 9428,6358 R19.2@9428,6305.43 R19.2@9428,6301.43
NetR20_1: R20.1 U5.85 | length 769
  TopLayer w8: R20.1@7785.01,6298.99 7785.01,6477.21 7953.32,6645.52 7953.32,6734.16 U5.85@8140.08,6920.92
NetR20_2: R20.2 U5.86 | length 747.8
  TopLayer w8: R20.2@7816.5,6298.99 7816.5,6487.49 7968.32,6639.31 7968.32,6721.32 U5.86@8154,6907
NetR20_3: R20.3 U5.87 | length 726.6
  TopLayer w8: R20.3@7848,6298.99 7848,6497.77 7983.32,6633.09 7983.32,6708.48 U5.87@8167.92,6893.08
NetR20_4: R20.4 U5.88 | length 705.4
  TopLayer w8: R20.4@7879.5,6298.99 7879.5,6508.06 7998.32,6626.88 7998.32,6695.64 U5.88@8181.84,6879.16
NetR21_5: R21.5 U5.113 | length 759.6
  TopLayer w8: U5.113@8614.73,6656.45 8684.58,6586.6 8766.75,6586.6 8953.85,6399.5 9021.19,6399.5 9037.86,6382.82 9152.18,6382.82 9212.5,6322.5 R21.5@9212.5,6298.99
NetR21_6: R21.6 U5.114 | length 788.5
  TopLayer w8: U5.114@8628.65,6670.37 8697.42,6601.6 8772.97,6601.6 8960.07,6414.5 9027.4,6414.5 9044.08,6397.82 9178.18,6397.82 9244,6332 R21.6@9244,6298.99
NetR21_7: R21.7 U5.117 | length 789.5
  TopLayer w8: U5.117@8670.41,6712.13 8765.94,6616.6 8779.18,6616.6 8966.28,6429.5 9033.62,6429.5 9048.12,6415 9182.21,6415 9275.5,6321.72 R21.7@9275.5,6298.99
NetR21_8: R21.8 U5.118 | length 818.9
  TopLayer w8: U5.118@8684.33,6726.05 8778.78,6631.6 8785.39,6631.6 8972.49,6444.5 9039.83,6444.5 9054.33,6430 9209,6430 9306.99,6332.01 R21.8@9306.99,6298.99
NetR22_1: R22.1 U5.89 | length 637.8
  TopLayer w8: R22.1@8022.92,6298.99 8022.92,6318.99 8039.37,6335.43 8039.37,6708.85 U5.89@8195.76,6865.24
NetR22_2: R22.2 U5.91 | length 628.6
  TopLayer w8: R22.2@8054.42,6298.99 8054.42,6702.62 8165.8,6814 8200.19,6814 U5.91@8223.6,6837.4
NetR22_3: R22.3 U5.93 | length 590.7
  TopLayer w8: R22.3@8085.92,6298.99 8085.92,6319.38 8072,6333.3 8072,6630.13 U5.93@8251.44,6809.56
NetR22_4: R22.4 U5.94 | length 583.1
  TopLayer w8: R22.4@8117.41,6298.99 8117.41,6315.99 8087,6346.4 8087,6617.29 U5.94@8265.36,6795.64
NetR23_5: R23.5 U5.109 | length 557.6
  TopLayer w8: U5.109@8559.06,6600.77 8633.23,6526.6 8741.9,6526.6 8929,6339.5 8963.2,6339.5 8974.59,6328.11 R23.5@8974.59,6298.99
NetR23_6: R23.6 U5.110 | length 583.8
  TopLayer w8: U5.110@8572.97,6614.69 8646.07,6541.6 8748.11,6541.6 8935.21,6354.5 8984.6,6354.5 9006.08,6333.02 R23.6@9006.08,6298.99
NetR23_7: R23.7 U5.111 | length 604
  TopLayer w8: U5.111@8586.89,6628.61 8658.91,6556.6 8754.33,6556.6 8941.43,6369.5 8995.78,6369.5 9037.58,6327.7 R23.7@9037.58,6298.99
NetR23_8: R23.8 U5.112 | length 629
  TopLayer w8: U5.112@8600.81,6642.53 8671.74,6571.6 8760.54,6571.6 8947.64,6384.5 9014.98,6384.5 9069.08,6330.4 R23.8@9069.08,6298.99
NetR24_1: R24.1 U5.95 | length 566.2
  TopLayer w8: R24.1@8260.84,6298.99 8260.84,6330.52 8234.9,6356.46 8234.9,6472.2 8169.3,6537.8 8169.3,6671.75 U5.95@8279.27,6781.73
NetR24_2: R24.2 U5.96 | length 558.7
  TopLayer w8: R24.2@8292.34,6298.99 8292.34,6322.65 8250.4,6364.59 8250.4,6477.91 8184.3,6544.01 8184.3,6658.91 U5.96@8293.19,6767.81
NetR24_3: R24.3 U5.97 | length 551.1
  TopLayer w8: U5.97@8307.11,6753.89 8199.3,6646.07 8199.3,6550.23 8269.4,6480.13 8269.4,6380.63 8323.83,6326.19 R24.3@8323.83,6298.99
NetR24_4: R24.4 U5.98 | length 538
  TopLayer w8: U5.98@8321.03,6739.97 8221.1,6640.03 8221.1,6549.64 8285.5,6485.24 8285.5,6391.7 8355.33,6321.87 R24.4@8355.33,6298.99
NetR25_5: R25.5 U5.105 | length 683
  TopLayer w8: U5.105@8418.47,6642.53 8378,6602.06 8378,6498.37 8409.77,6466.6 8508.67,6466.6 8509.14,6466.13 8707.55,6466.13 8736.67,6437 R25.5@8736.67,6298.99
NetR25_6: R25.6 U5.106 | length 675.5
  TopLayer w8: U5.106@8432.39,6628.61 8393,6589.22 8393,6504.59 8415.99,6481.6 8514.88,6481.6 8515.35,6481.13 8713.76,6481.13 8768.17,6426.72 R25.6@8768.17,6298.99
NetR25_7: R25.7 U5.107 | length 666.9
  TopLayer w8: U5.107@8446.31,6614.69 8409.3,6577.68 8409.3,6509.5 8422.2,6496.6 8719.5,6496.6 8799.66,6416.43 R25.7@8799.66,6298.99
NetR25_8: R25.8 U5.108 | length 654.2
  TopLayer w8: U5.108@8460.23,6600.77 8424.3,6564.85 8424.3,6524.5 8437.2,6511.6 8725.71,6511.6 8831.16,6406.15 R25.8@8831.16,6298.99
NetR29_1: R29.1 U5.101 | length 517.6
  TopLayer w8: U5.101@8362.79,6698.21 8318,6653.42 8318,6473.52 8384.92,6406.6 8427.46,6406.6 8498.76,6335.3 R29.1@8498.76,6298.99
NetR29_2: R29.2 U5.102 | length 524.8
  TopLayer w8: U5.102@8376.71,6684.29 8333,6640.58 8333,6479.73 8391.13,6421.6 8458.88,6421.6 8530.25,6350.23 R29.2@8530.25,6298.99
NetR29_3: R29.3 U5.103 | length 517.3
  TopLayer w8: U5.103@8390.63,6670.37 8348,6627.74 8348,6485.95 8397.35,6436.6 8465.09,6436.6 8561.75,6339.95 R29.3@8561.75,6298.99
NetR29_4: R29.4 U5.104 | length 513.4
  TopLayer w8: U5.104@8404.55,6656.45 8363,6614.9 8363,6492.16 8403.56,6451.6 8477.5,6451.6 8593.24,6335.86 R29.4@8593.24,6298.99
NetR31_1: R31.1 U5.62 | length 1257.5
  TopLayer w8: v3(7529.53,6702.76) 7529.53,6770.13 7541.29,6781.89 7541.29,6796.96 7817.2,7072.87 7817.2,7093.94 7859.11,7135.84 7859.11,7185.57 7873.1,7199.57 7873.1,7232.31 7987.94,7347.15 8091.06,7347.15 U5.62@8112.24,7325.97
  BottomLayer w8: v3(7529.53,6702.76) 7529.53,6513.47 7586,6457 R31.1@7586,6436
NetR31_2: R31.2 U5.61 | length 1302
  TopLayer w8: v3(7500,6761.81) 7526.29,6788.1 7526.29,6803.18 7802.2,7079.09 7802.2,7100.15 7844.11,7142.06 7844.11,7191.79 7858.1,7205.78 7858.1,7238.53 7981.84,7362.27 8103.29,7362.27 8125.66,7339.89 U5.61@8126.16,7339.89
  BottomLayer w8: v3(7500,6761.81) 7500,6521.79 7549.2,6472.58 7549.2,6441.3 R31.2@7554.5,6436
NetR31_3: R31.3 U5.60 | length 1356.3
  TopLayer w8: v3(7470.47,6702.76) 7470.47,6777.47 7496.1,6803.1 7505,6803.1 7787.2,7085.3 7787.2,7106.36 7829.11,7148.27 7829.11,7198 7843.1,7211.99 7843.1,7244.74 7979.19,7380.83 8112.57,7380.83 8139.58,7353.81 U5.60@8140.08,7353.81
  BottomLayer w8: v3(7470.47,6702.76) 7470.47,6530.1 7525,6475.57 7525,6437.99 R31.3@7523.01,6436
NetR31_4: R31.4 U5.59 | length 1395.3
  TopLayer w8: v3(7440.94,6761.81) 7440.94,6831.05 7828.1,7218.21 7828.1,7250.95 7974.75,7397.6 8123.63,7397.6 8153.5,7367.73 U5.59@8154,7367.73
  BottomLayer w8: v3(7440.94,6761.81) 7440.94,6538.42 7491.51,6487.85 R31.4@7491.51,6436
NetR32_1: R32.1 U5.58 | length 1443.5
  TopLayer w8: v3(7411.42,6702.76) 7411.42,6822.74 7813.1,7224.42 7813.1,7257.17 7969.44,7413.51 8136.06,7413.51 U5.58@8167.92,7381.65
  BottomLayer w8: R32.1@7355.54,6436 7355.54,6533.54 7411.42,6589.42 v3(7411.42,6702.76)
NetR32_2: R32.2 U5.57 | length 1489.5
  TopLayer w8: v3(7381.89,6761.81) 7381.89,6814.42 7798.1,7230.63 7798.1,7263.38 7963.23,7428.51 8148.9,7428.51 U5.57@8181.84,7395.57
  BottomLayer w8: R32.2@7324.05,6436 7324.05,6534.05 7381.89,6591.89 v3(7381.89,6761.81)
NetR32_3: R32.3 U5.55 | length 1544.1
  TopLayer w8: v3(7352.36,6702.76) 7352.36,6806.11 7783.1,7236.85 7783.1,7269.59 7957.02,7443.51 8189.91,7443.51 8189.74,7443.34 U5.55@8209.68,7423.41
  BottomLayer w8: R32.3@7292.55,6436 7292.55,6530.74 7352.36,6590.55 v3(7352.36,6702.76)
NetR32_4: R32.4 U5.53 | length 1616.9
  TopLayer w8: v3(7322.83,6761.81) 7322.83,6797.79 7768.1,7243.06 7768.1,7275.8 7950.8,7458.51 8165.93,7458.51 8188.77,7481.35 8207.42,7481.35 U5.53@8237.52,7451.25
  BottomLayer w8: R32.4@7261.06,6436 7261.06,6522.87 7322.83,6584.65 v3(7322.83,6761.81)
NetR33_1: R33.1 U5.52 | length 1706.2
  TopLayer w8: v3(7293.31,6702.76) 7293.31,6789.48 7753.1,7249.27 7753.1,7282.02 7944.59,7473.51 8159.72,7473.51 8182.56,7496.35 8220.26,7496.35 U5.52@8251.44,7465.17
  BottomLayer w8: R33.1@7125.09,6436 7125.09,6475.48 7293.31,6643.7 v3(7293.31,6702.76)
NetR33_2: R33.2 U5.51 | length 1753.4
  TopLayer w8: v3(7263.78,6761.81) 7263.78,6766.04 7278.31,6780.57 7278.31,6795.69 7738.1,7255.48 7738.1,7288.23 7938.38,7488.51 8153.51,7488.51 8177.38,7512.38 8232.56,7512.38 8265.36,7479.59 U5.51@8265.36,7479.09
  BottomLayer w8: R33.2@7093.59,6436 7096,6438.41 7096,6481.83 7263.78,6649.61 v3(7263.78,6761.81)
NetR33_3: R33.3 U5.50 | length 1802.4
  TopLayer w8: v3(7234.25,6702.76) 7234.25,6772.85 7723.1,7261.7 7723.1,7294.44 7932.16,7503.51 8147.29,7503.51 8175.07,7531.29 8241,7531.29 U5.50@8279.27,7493.01
  BottomLayer w8: R33.3@7062.09,6436 7062.09,6471.54 7234.25,6643.7 v3(7234.25,6702.76)
NetR33_4: R33.4 U5.49 | length 1848.4
  TopLayer w8: v3(7204.72,6761.81) 7204.72,6764.54 7708.1,7267.91 7708.1,7300.66 7925.95,7518.51 8141.08,7518.51 8168.86,7546.29 8253.83,7546.29 U5.49@8293.19,7506.93
  BottomLayer w8: R33.4@7030.6,6436 7030.6,6463.67 7204.72,6637.8 v3(7204.72,6761.81)